# Altium PCB Rainette.PcbDoc (part 2 of 2)
Units mm, origin at the board's own origin, x right, y up, seen from the top; angles counter-clockwise.
Board outline 91.87 x 44.86 mm, 4 copper layers (Top Layer, Int1 (GND), Int2 (3V3), Bottom Layer), stack 1.57 mm thick; 96 components, 65 nets, 342 pads, 257 vias.
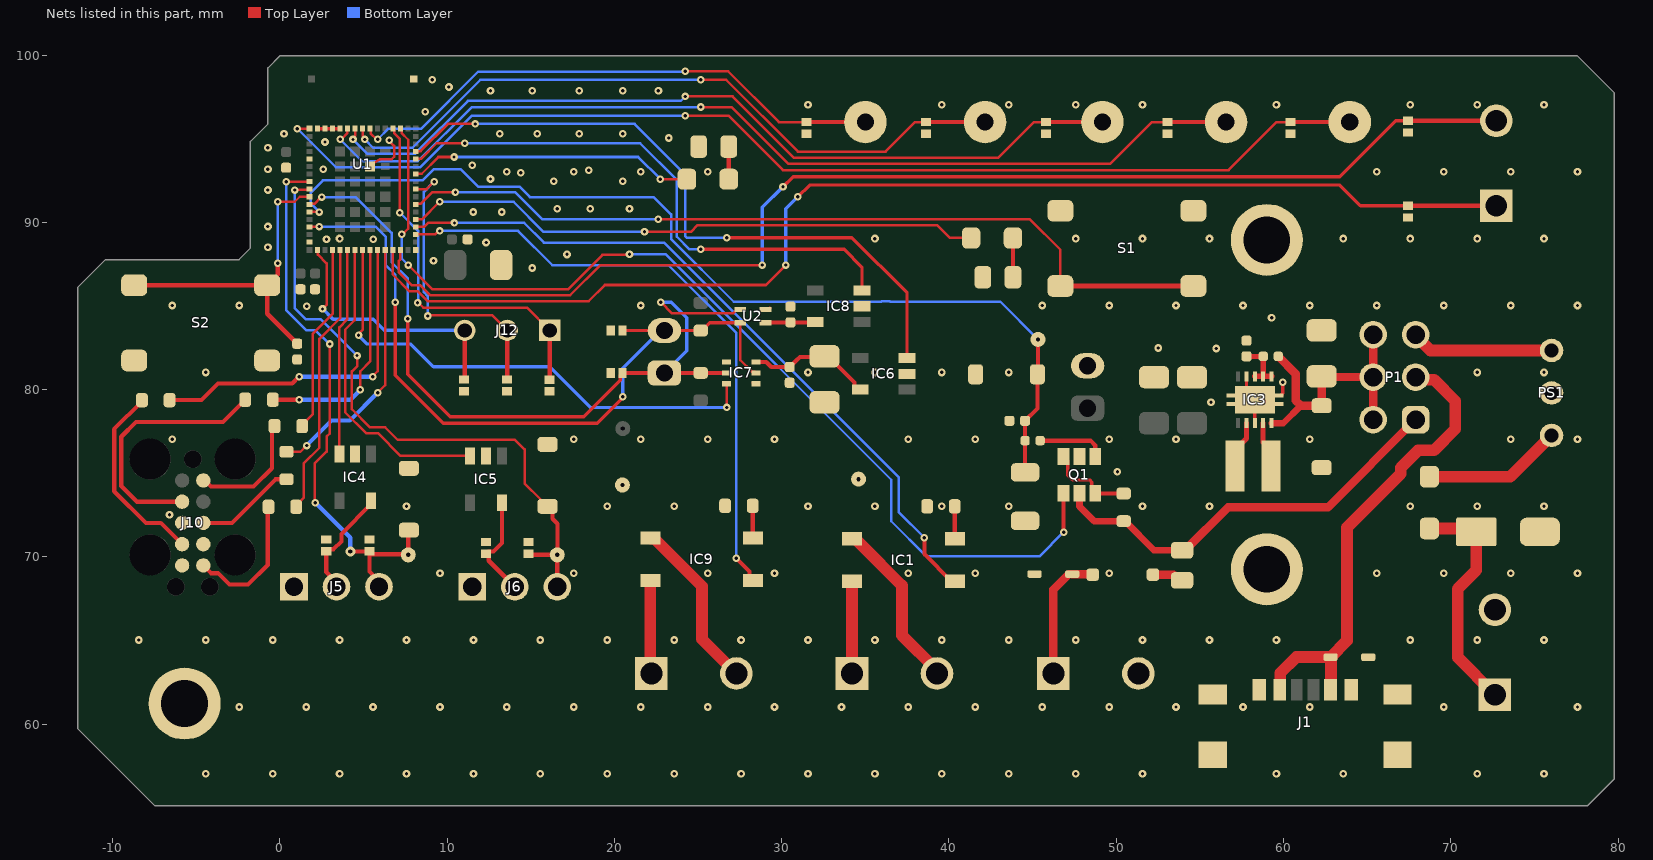
[diagram p4: the nets of this part, all layers, seen from the top]

## Via types
v1: diameter 0.46/0.46 (per signal layer), hole 0.2, Top Layer to Bottom Layer, tented both sides, 185 vias
v2: diameter 0.451/0.451 (per signal layer), hole 0.2, Top Layer to Bottom Layer, 71 vias
v3: diameter 0.6, hole 0.25, Top Layer to Bottom Layer, 1 vias

## Nets (pads, with @x,y where several pads share a name; then routed paths per layer and width w, separated by ;. In a path a pad name is that pad's centre, name@x,y a point inside that pad or via, vN(x,y) a via of type N, cw(c..) or ccw(c..) an arc to the next point about the centre after c; other vN are vias at no path point) (continued)
GND: C1.1 C2.1 C3.1 C4.1 C5.1 C6.2 C7.2 C8.2 C9.2 C10.1 C11.2 C12.1 C13.2 C14.2 D1.2 D2.2 D4.2 D6.2 D7.1 D8.1 D9.1 D10.1 D12.1 D14.1 D15.2 D16.2 D17.2 D18.2 D19.2 D20.1 D21.1 D26.1 D27.1 D28.1 D29.2 D30.2 D31.2 IC3.3 IC3.9 IC3.11 IC3.12 IC3.13 IC3.14 IC3.15 IC4.2 IC5.2 IC6.2 IC7.1 IC7.4 IC8.2 J1.1 J1.2 J1.3 J1.4 J1.A12 J1.B12 J3.2 J4.2 J5.1 J6.1 J10.3 J10.5 pad.6 pad.7 pad.8 PS1.2 Q1.5 R4.1 R5.2 R6.2 R7.1 R8.1 S1.3 S1.4 S2.3 S2.4 TP2.1 TP3.1 U1.5 U1.16 U1.31 U1.57 U1.58 U1.59 U1.60 U1.84 U1.86 U2.4 X2.2 | length 17.6
  Top Layer w0.15: U1.84@5.403,93.334 5.457,93.388 5.628,93.559 5.933,93.743 cw(c6.049,93.55) 6.049,93.775 6.678,93.775 6.828,93.925 6.828,94.576 6.532,94.871 v2(6.532,94.916)
  Top Layer w0.2: C7.2@2.108,86.001 C7.2@2.108,86.004 ; U1.60@2.253,95.609 U1.59@2.703,95.609 U1.58@3.153,95.609 U1.57@3.603,95.609 ; D7.1@2.726,71.042 D7.1@2.776,71.042 ; D8.1@5.355,71.042 D8.1@5.405,71.042 ; IC7.1@26.709,81.655 IC7.1@26.834,81.655 ; IC7.4@28.284,80.405 IC7.4@28.409,80.405 ; U2.4@29.224,84.857 U2.4@29.28,84.857 ; U2.4@29.228,84.804 U2.4@29.28,84.857 ; U2.4@29.28,84.86 U2.4@29.28,84.857 ; C13.2@30.424,84.857 C13.2@30.531,84.963 ; IC6.2@37.493,80.95 IC6.2@37.522,80.921 ; C5.1@43.575,78.179 C5.1@43.612,78.142 ; IC3.15@56.837,79.151 58.037,79.151 IC3.11@58.287,79.401 ; IC3.14@56.837,79.651 IC3.11@58.037,79.651 ; IC3.9@57.787,80.801 57.787,79.901 IC3.11@58.037,79.651 ; IC3.3@58.287,78.001 IC3.11@58.287,79.401 ; IC3.12@59.737,79.151 58.537,79.151 IC3.11@58.287,79.401 ; v1(59.962,80.441) 59.962,79.793 59.887,79.718 59.887,79.676 59.862,79.651 58.537,79.651 IC3.11@58.287,79.401 ; IC3.11@58.037,79.651 IC3.11@58.287,79.401
  Top Layer w0.25: D9.1@12.205,70.775 D9.1@12.33,70.9 ; C10.1@12.851,87.449 C10.1@12.853,87.451 ; C10.1@12.957,87.717 C10.1@13.226,87.449
  Top Layer w0.3: J10.3@-5.898,72.034 J10.3@-5.842,72.034 ; S2.4@-0.753,81.747 S2.4@-0.724,81.777 ; C14.2@1.012,81.777 C14.2@1.041,81.806 ; IC4.2@4.508,76.162 IC4.2@4.658,76.012 ; D31.2@16.002,76.73 D31.2@16.09,76.642 ; R5.2@25.036,94.534 R5.2@25.036,94.747 ; C12.1@32.182,78.864 C12.1@32.563,79.245 ; IC8.2@34.801,84.988 IC8.2@35.001,84.988 ; D4.2@44.919,68.98 D4.2@45.119,68.98 ; X2.2@48.318,81.465 X2.2@48.285,81.432 X2.2@48.852,81.432 ; D15.2@60.427,95.3 D15.2@60.439,95.287 ; D2.2@62.115,75.345 D2.2@62.281,75.345
  other v1: -4.426,57.033 -0.426,57.033 3.574,57.033 7.574,57.033 11.574,57.033 15.574,57.033 19.574,57.033 23.574,57.033 27.574,57.033 31.574,57.033 35.574,57.033 39.574,57.033 43.574,57.033 47.574,57.033 51.574,57.033 59.574,57.033 63.574,57.033 71.574,57.033 75.574,57.033 -2.426,61.033 1.574,61.033 5.574,61.033 9.574,61.033 13.574,61.033 17.574,61.033 21.574,61.033 25.574,61.033 29.574,61.033 33.574,61.033 37.574,61.033 41.574,61.033 45.574,61.033 49.574,61.033 53.574,61.033 57.574,61.033 61.574,61.033 69.574,61.033 77.574,61.033 -8.426,65.033 -4.426,65.033 -0.426,65.033 3.574,65.033 7.574,65.033 11.574,65.033 15.574,65.033 19.574,65.033 23.574,65.033 27.574,65.033 31.574,65.033 35.574,65.033 39.574,65.033 43.574,65.033 47.574,65.033 51.574,65.033 55.574,65.033 59.574,65.033 67.574,65.033 71.574,65.033 75.574,65.033 9.574,69.033 17.574,69.033 25.574,69.033 29.574,69.033 37.574,69.033 41.574,69.033 49.574,69.033 65.574,69.033 69.574,69.033 73.574,69.033 77.574,69.033 -6.592,72.533 7.574,73.033 19.574,73.033 23.574,73.033 31.574,73.033 35.574,73.033 39.574,73.033 43.574,73.033 51.574,73.033 55.574,73.033 67.574,73.033 71.574,73.033 75.574,73.033 -6.426,77.033 17.574,77.033 21.574,77.033 25.574,77.033 29.574,77.033 37.574,77.033 41.574,77.033 49.574,77.033 53.574,77.033 61.574,77.033 73.574,77.033 77.574,77.033 55.668,79.245 -4.426,81.033 31.574,81.033 35.574,81.033 39.574,81.033 43.574,81.033 71.574,81.033 75.574,81.033 55.982,82.465 52.512,82.495 59.287,84.303 -6.426,85.033 -2.426,85.033 21.574,85.033 45.574,85.033 49.574,85.033 53.574,85.033 57.574,85.033 61.574,85.033 65.574,85.033 69.574,85.033 73.574,85.033 77.574,85.033 15.088,87.274 9.184,87.707 17.169,88.087 -0.711,88.513 12.33,88.798 2.794,88.998 5.578,88.998 3.574,89.033 35.574,89.033 47.574,89.033 51.574,89.033 55.574,89.033 63.574,89.033 67.574,89.033 71.574,89.033 75.574,89.033 -0.711,89.753 11.562,90.619 13.261,90.619 16.585,90.817 18.566,90.817 20.904,90.817 -0.711,91.934 16.373,92.456 20.502,92.456 12.598,92.596 14.402,92.964 13.574,93.033 17.574,93.033 21.574,93.033 25.574,93.033 65.574,93.033 69.574,93.033 73.574,93.033 77.574,93.033 18.47,93.119 -0.711,93.184 2.603,93.184 11.505,93.422 -0.711,94.463 2.703,94.805 23.243,95.05 0.254,95.301 13.144,95.301 15.383,95.301 17.907,95.301 20.502,95.301 8.687,96.622 31.574,97.033 39.574,97.033 43.574,97.033 47.574,97.033 51.574,97.033 59.574,97.033 67.574,97.033 71.574,97.033 75.574,97.033 12.598,97.866 15.088,97.866 17.907,97.866 20.502,97.866 22.631,97.866 10.109,98.095 9.119,98.527
  other v2: 50.072,75.09 1.603,84.992
GPIO_0: D15.1 TP7.1 U1.1 | length 68.4
  Top Layer w0.15: v2(1.041,95.609) U1.1@1.778,95.609 ; v2(24.228,96.385) 26.823,96.385 30.08,93.128 56.718,93.128 59.59,96 D15.1@60.427,96
  Top Layer w0.25: D15.1@60.427,96 TP7.1@63.957,96
  Bottom Layer w0.15: v2(1.041,95.609) 3.346,93.304 8.404,93.304 11.485,96.385 v2(24.228,96.385)
GPIO_1: D16.1 TP8.1 U1.56 | length 58.2
  Top Layer w0.15: v2(3.603,94.971) 3.679,94.971 4.028,95.32 4.028,95.584 U1.56@4.053,95.609 ; v2(25.161,96.898) 26.995,96.898 30.396,93.497 49.632,93.497 52.134,96 D16.1@53.061,96
  Top Layer w0.25: D16.1@53.061,96 TP8.1@56.566,96
  Bottom Layer w0.15: v2(3.603,94.971) 4.92,93.654 8.234,93.654 11.478,96.898 v2(25.161,96.898)
GPIO_2: D17.1 TP9.1 U1.55 | length 49.7
  Top Layer w0.15: v2(4.374,94.959) 4.374,95.04 4.503,95.169 U1.55@4.503,95.609 ; v2(24.228,97.531) 27.069,97.531 30.74,93.859 42.942,93.859 45.083,96 D17.1@45.812,96
  Top Layer w0.25: D17.1@45.812,96 TP9.1@49.176,96
  Bottom Layer w0.15: v2(4.374,94.959) 5.22,94.113 8.083,94.113 11.24,97.27 23.967,97.27 v2(24.228,97.531)
GPIO_3: D18.1 TP10.1 U1.54 | length 42.2
  Top Layer w0.15: U1.54@4.953,95.609 4.953,95.169 5.082,95.04 v2(5.082,94.959) ; v2(25.161,98.527) 26.676,98.527 30.969,94.234 36.215,94.234 37.981,96 D18.1@38.633,96
  Top Layer w0.25: D18.1@38.633,96 TP10.1@42.164,96
  Bottom Layer w0.15: v2(5.082,94.959) 5.578,94.463 7.932,94.463 11.996,98.527 v2(25.161,98.527)
GPIO_4: D19.1 TP11.1 U1.53 | length 33
  Top Layer w0.15: U1.53@5.428,95.634 U1.53@5.403,95.609 5.428,95.584 5.428,95.32 5.777,94.971 v2(5.853,94.971) ; v2(24.228,99.027) 26.806,99.027 29.833,96 D19.1@31.493,96
  Top Layer w0.25: D19.1@31.493,96 TP11.1@35.001,96
  Bottom Layer w0.15: v2(5.853,94.971) 6.491,95.609 8.462,95.609 11.862,99.009 24.211,99.009 v2(24.228,99.027)
GPIO_FLOAT_IN: D14.2 J7.2 U1.29 | length 73.9
  Top Layer w0.15: U1.29@7.203,88.359 7.203,87.788 7.103,87.688 7.103,87.032 7.905,86.23 8.403,86.23 8.982,85.651 17.363,85.651 19.162,87.45 v2(28.843,87.45)
  Top Layer w0.2: v2(30.08,92.134) 30.68,92.734 63.356,92.734 66.694,96.072 D14.2@67.432,96.072
  Top Layer w0.25: D14.2@67.432,96.072 J7.2@72.722,96.072
  Bottom Layer w0.2: v2(28.843,87.45) 28.843,90.898 v2(30.08,92.134)
GPIO_FLOAT_OUT: D12.2 J7.1 U1.28 | length 73.5
  Top Layer w0.15: U1.28@6.753,88.359 6.753,87.833 6.753,86.887 7.76,85.88 8.258,85.88 8.837,85.301 18.47,85.301 19.427,86.258 29.06,86.258 v2(30.251,87.45)
  Top Layer w0.2: v2(30.969,91.534) 31.669,92.234 63.356,92.234 64.597,90.992 D12.2@67.432,90.992
  Top Layer w0.25: D12.2@67.432,90.992 J7.1@72.722,90.992
  Bottom Layer w0.2: v2(30.251,87.45) 30.251,90.817 v2(30.969,91.534)
GPIO_RELAY_0: IC1.1 U1.34 | length 43.2
  Top Layer w0.15: U1.34@8.128,89.734 8.629,89.734 8.862,89.967 v2(10.439,89.967) ; IC1.1@40.155,68.543 IC1.1@40.355,68.543 IC1.1@40.555,68.543
  Top Layer w0.25: v2(38.53,71.15) 38.53,70.168 IC1.1@40.155,68.543
  Bottom Layer w0.15: v2(10.439,89.967) 14.613,89.967 15.781,88.798 22.966,88.798 36.993,74.771 36.993,72.687 v2(38.53,71.15)
GPIO_RELAY_1: IC9.1 U1.33 | length 37
  Top Layer w0.15: U1.33@8.128,89.284 9.269,89.284 9.474,89.49 v2(9.556,89.49) ; IC9.1@28.079,68.813 IC9.1@28.297,68.594
  Top Layer w0.25: v2(27.293,69.917) 28.079,69.131 IC9.1@28.079,68.813
  Bottom Layer w0.15: v2(9.556,89.49) 14.248,89.49 16.288,87.45 23.221,87.45 27.293,83.379 v2(27.293,69.917)
I2C.SCL: D21.2 IC7.5 R10.1 U1.14 U2.2 X1.2 | length 44.7
  Top Layer w0.15: U1.14@1.778,89.734 1.787,89.743 2.353,89.743 v2(2.362,89.753) ; D21.2@20.487,83.551 D21.2@20.502,83.535 ; R10.1@25.161,83.535 R10.1@25.236,83.535 ; U2.2@27.526,84.004 27.526,81.774 28.22,81.08 28.384,81.08 IC7.5@28.459,81.005
  Top Layer w0.2: v2(6.903,85.231) 6.903,80.868 9.78,77.991 18.971,77.991 20.502,79.522 v2(20.502,79.582) ; D21.2@20.502,83.535 X1.2@22.993,83.535 R10.1@25.161,83.535 ; R10.1@25.236,83.535 25.704,84.004 U2.2@27.526,84.004
  Bottom Layer w0.15: v2(2.362,89.753) 5.729,89.753 6.328,89.154 6.328,87.449 6.903,86.874 v2(6.903,85.231) ; X1.2@22.743,83.535 X1.2@22.993,83.535
  Bottom Layer w0.2: v2(20.502,79.582) 20.502,81.294 X1.2@22.743,83.535
I2C.SDA: D20.2 IC7.2 R9.1 U1.11 U2.1 X1.1 | length 47.2
  Top Layer w0.15: U1.11@1.778,91.084 1.803,91.109 2.067,91.109 2.474,91.516 v2(2.515,91.516) ; D20.2@20.487,81.011 D20.2@20.502,80.995 ; v2(22.781,85.231) 23.451,84.56 27.079,84.56 27.323,84.804 U2.1@27.526,84.804 ; X1.1@22.993,80.995 X1.1@23.002,81.004
  Top Layer w0.2: v2(7.653,84.242) 7.653,80.916 10.178,78.391 18.167,78.391 20.349,80.574 20.349,80.874 D20.2@20.487,81.011
  Top Layer w0.25: D20.2@20.502,80.995 X1.1@22.993,80.995 ; X1.1@23.002,81.004 R9.1@25.161,81.004 ; R9.1@25.161,81.004 IC7.2@26.709,81.005
  Bottom Layer w0.15: v2(2.515,91.516) 4.536,91.516 6.678,89.374 6.678,87.619 7.653,86.644 v2(7.653,84.242) ; X1.1@22.993,80.995 23.081,80.995 23.733,81.648 23.733,81.735
  Bottom Layer w0.2: v2(22.781,85.231) 23.391,85.231 24.316,84.306 24.316,82.318 23.733,81.735
LED_RED_0: D11.2 U1.41 | length 17.2
  Top Layer w0.15: U1.41@8.128,92.884 8.153,92.909 8.483,92.909 9.484,93.91 v2(10.417,93.91) ; v2(22.747,92.584) D11.2@24.336,92.584
  Bottom Layer w0.15: v2(10.417,93.91) 21.421,93.91 v2(22.747,92.584)
LED_RED_1: D13.2 U1.35 | length 34.9
  Top Layer w0.15: U1.35@8.128,90.184 8.506,90.184 v2(9.556,91.234) ; v2(21.8,89.434) 24.569,89.434 24.969,89.834 39.293,89.834 40.057,89.07 D13.2@41.325,89.07
  Bottom Layer w0.15: v2(9.556,91.234) 13.973,91.234 15.773,89.434 v2(21.8,89.434)
LUM_INT: IC7.3 U1.24 | length 30.4
  Top Layer w0.15: v2(4.708,83.251) 4.708,83.332 4.953,83.577 U1.24@4.953,88.359 ; v2(26.709,78.939) IC7.3@26.709,80.355
  Bottom Layer w0.15: v2@4.708,83.238 v2(4.708,83.251)
  Bottom Layer w0.2: v2@4.708,83.238 5.216,82.731 7.823,82.731 9.184,81.37 16.135,81.37 18.566,78.939 v2(26.709,78.939)
NetC3_2: C3.2 D2.1 IC3.5 P1.2 P1.4 P1.6 R1.2 | length 16.9
  Top Layer w0.4: IC3.5@59.295,77.992 59.987,77.992 61.039,79.045
  Top Layer w0.5: R1.2@59.687,81.995 60.727,80.955 60.727,79.357 61.039,79.045 D2.1@62.281,79.045 C3.2@62.281,80.797 62.319,80.759 65.316,80.759 65.354,80.721 P1.2@65.354,78.181 ; P1.4@65.354,80.747 P1.6@65.354,83.287
NetC4_2: C4.2 IC3.6 IC3.7 IC3.8 R1.1 | length 3.2
  Top Layer w0.3: C4.2@57.787,81.995 R1.1@58.787,81.995
  Top Layer w0.35: IC3.8@58.287,80.801 IC3.7@58.787,80.801 ; R1.1@58.787,81.995 IC3.7@58.787,80.801 ; IC3.6@59.287,80.801 IC3.7@58.787,80.801
NetC5_2: C5.2 D29.1 R3.2 R4.2 TP4.1 U1.12 | length 59.3
  Top Layer w0.15: U1.12@1.778,90.634 1.786,90.626 2.36,90.626 v2(2.367,90.619) ; D29.1@45.29,80.921 D29.1@45.321,80.952
  Top Layer w0.25: R4.2@44.552,75.186 C5.2@44.552,78.142 45.29,78.881 D29.1@45.29,80.921 ; D29.1@45.321,80.952 TP4.1@45.321,83.005
  Bottom Layer w0.15: v2(2.367,90.619) 1.854,91.132 1.854,91.793 2.577,92.516 8.541,92.516 9.209,93.184 10.81,93.184 11.851,92.143 14.323,92.143 14.95,91.516 22.349,91.516 23.391,90.474 23.391,88.998 27.134,85.255 35.953,85.255 35.982,85.284 36.459,85.284 36.488,85.255 43.071,85.255 TP4.1@45.321,83.005
NetC11_1: C11.1 C12.2 IC6.5 IC7.6 | length 7.6
  Top Layer w0.15: 30.959,81.835 30.969,81.835 ; C12.2@32.531,81.963 C12.2@32.563,81.995 C12.2@32.788,81.995 ; IC6.5@34.345,80.225 34.57,80 IC6.5@34.693,80
  Top Layer w0.25: IC7.6@28.459,81.655 29.081,81.655 29.38,81.356 C11.1@30.48,81.356 30.959,81.835 ; 30.969,81.835 31.097,81.963 C12.2@32.531,81.963 ; C12.2@32.788,81.995 34.345,80.437 IC6.5@34.345,80.225
NetC13_1: C13.1 IC8.5 U2.3 | length 3
  Top Layer w0.15: U2.3@29.024,84.004 U2.3@29.034,84.014 ; C13.1@30.521,84.014 C13.1@30.531,84.023 ; IC8.5@31.986,84.023 IC8.5@32.001,84.038
  Top Layer w0.25: U2.3@29.034,84.014 C13.1@30.521,84.014 ; C13.1@30.531,84.023 IC8.5@31.986,84.023
NetD3_1: D3.1 F1.1 | length 1.9
  Top Layer w0.5: D3.1@52.192,68.943 53.421,68.943 53.761,68.603 F1.1@53.936,68.603
NetD3_2: D3.2 D4.1 J3.1 | length 7.8
  Top Layer w0.5: J3.1@46.244,63.036 46.244,68.055 47.169,68.98 D4.1@47.369,68.98 47.388,68.962 48.574,68.962 D3.2@48.592,68.943
NetD5_1: D5.1 PS1.1 | length 8.3
  Top Layer w0.7: D5.1@68.719,74.804 73.559,74.804 PS1.1@76.022,77.267
NetD5_2: D5.2 D6.1 J4.1 | length 14
  Top Layer w0.7: D5.2@68.719,71.704 71.32,71.704 D6.1@71.522,71.501 71.522,69.205 70.407,68.09 70.407,63.996 J4.1@72.637,61.766
NetD7_2: D7.2 IC4.5 J5.2 | length 6.7
  Top Layer w0.25: J5.2@3.39,68.224 3.39,68.496 2.776,69.109 D7.2@2.776,70.342 2.901,70.467 3.21,70.467 3.679,70.935 3.679,71.382 5.458,73.162 IC4.5@5.458,73.362
NetD8_2: D8.2 D30.1 J5.3 TP5.1 U1.8 | length 33.5
  Top Layer w0.15: v2(0.381,92.434) U1.8@1.778,92.434 ; v2(2.118,73.249) 2.103,73.264 2.103,75.608 2.794,76.299 2.794,77.192 2.983,77.381 v2(2.983,82.731) ; D8.2@5.346,70.333 D8.2@5.355,70.342 D8.2@5.53,70.167 ; J5.3@5.93,68.224 J5.3@5.93,68.56 ; TP5.1@7.641,70.167 TP5.1@7.678,70.129 ; D30.1@7.678,71.565 D30.1@7.715,71.603
  Top Layer w0.25: v3(4.215,70.333) D8.2@5.346,70.333 ; D8.2@5.355,70.342 5.355,69.135 J5.3@5.93,68.56 ; D8.2@5.53,70.167 TP5.1@7.641,70.167 ; TP5.1@7.678,70.129 D30.1@7.678,71.565
  Bottom Layer w0.15: v2(0.381,92.434) 0.381,84.773 1.608,83.546 2.143,83.546 2.958,82.731 v2(2.983,82.731)
  Bottom Layer w0.25: v2(2.118,73.249) 4.215,71.153 v3(4.215,70.333)
NetD9_2: D9.2 IC5.5 J6.2 | length 6.3
  Top Layer w0.25: IC5.5@13.28,73.242 13.28,70.84 12.765,70.325 12.455,70.325 D9.2@12.33,70.2 12.363,70.2 12.488,70.075 12.488,69.777 J6.2@14.045,68.219
NetD10_2: D10.2 D31.1 J6.3 TP6.1 U1.9 | length 38.4
  Top Layer w0.15: v2(0.886,91.934) 0.911,91.959 1.753,91.959 U1.9@1.778,91.984 ; v2(4.616,82.042) 4.616,81.398 4.308,81.091 4.308,78.833 5.391,77.751 6.303,77.751 7.049,77.004 14.058,77.004 14.629,76.434 14.629,74.403 15.57,73.462 15.57,73.393 15.933,73.03 D31.1@16.002,73.03 D31.1@16.302,72.73 ; D10.2@14.87,70.2 D10.2@14.941,70.129 ; TP6.1@16.585,70.129 TP6.1@16.602,70.146
  Top Layer w0.25: D10.2@14.941,70.129 TP6.1@16.585,70.129 J6.3@16.585,68.219 ; D31.1@16.302,72.73 16.302,72.287 16.602,71.987 TP6.1@16.602,70.146
  Bottom Layer w0.15: v2(0.886,91.934) 0.886,84.873 1.558,84.201 2.457,84.201 v2(4.616,82.042)
NetD11_1: D11.1 R5.1 | length 2
  Top Layer w0.25: D11.1@26.836,92.584 R5.1@26.836,94.534
NetD13_1: D13.1 R6.1 | length 2.3
  Top Layer w0.25: R6.1@43.825,86.722 D13.1@43.825,89.07
NetIC1_2: IC1.2 R7.2 | length 1.9
  Top Layer w0.15: IC1.2@40.347,71.091 IC1.2@40.355,71.083
  Top Layer w0.25: IC1.2@40.347,71.091 R7.2@40.347,73.03
NetIC1_3: IC1.3 J8.2 | length 10.3
  Top Layer w0.7: IC1.3@34.205,71.083 34.405,71.083 34.752,70.736 34.752,70.733 37.19,68.295 37.19,65.328 39.285,63.234 J8.2@39.285,63.036
NetIC1_4: IC1.4 J8.1 | length 5.5
  Top Layer w0.7: J8.1@34.205,63.036 IC1.4@34.205,68.543
NetIC3_2: IC3.2 L1.2 | length 2.9
  Top Layer w0.3: L1.2@57.093,75.429 57.093,76.384 57.787,77.077 IC3.2@57.787,78.001
NetIC3_4: IC3.4 L1.1 | length 2.8
  Top Layer w0.3: IC3.4@58.787,78.001 58.787,76.85 59.253,76.384 L1.1@59.253,75.429
NetIC4_3: IC4.3 U1.22 | length 12.4
  Top Layer w0.15: IC4.3@3.558,76.162 3.558,83.73 4.028,84.199 4.028,88.334 U1.22@4.053,88.359
NetIC5_3: IC5.3 U1.23 | length 18.5
  Top Layer w0.15: U1.23@4.503,88.359 4.478,88.334 4.478,84.154 3.908,83.585 3.908,78.651 5.158,77.401 5.866,77.401 7.224,76.042 IC5.3@11.38,76.042
NetIC6_3: IC6.3 U1.44 | length 40.3
  Top Layer w0.15: U1.44@8.128,94.234 8.153,94.259 8.417,94.259 10.043,95.885 v2(11.692,95.885)
  Top Layer w0.2: v2(26.709,89.092) 34.199,89.092 37.493,85.797 IC6.3@37.493,81.9
  Bottom Layer w0.15: v2(11.692,95.885) 21.209,95.885 24.228,92.866 24.228,89.18 24.316,89.092 v2(26.709,89.092)
NetIC8_3: IC8.3 U1.43 | length 33.5
  Top Layer w0.15: U1.43@8.128,93.784 8.153,93.809 8.462,93.809 9.383,94.73 v2(11.055,94.73)
  Top Layer w0.2: v2(25.161,88.39) 33.731,88.39 34.801,87.32 IC8.3@34.801,85.938
  Bottom Layer w0.15: v2(11.055,94.73) 21.54,94.73 23.741,92.529 23.741,89.143 24.493,88.39 v2(25.161,88.39)
NetIC9_2: IC9.2 R8.2 | length 1.9
  Top Layer w0.15: IC9.2@28.268,71.164 IC9.2@28.297,71.134
  Top Layer w0.25: IC9.2@28.268,71.164 R8.2@28.268,73.061
NetIC9_3: IC9.3 J9.2 | length 10.3
  Top Layer w0.7: IC9.3@22.147,71.134 22.197,71.084 22.397,71.084 25.236,68.246 25.236,65.094 J9.2@27.293,63.036
NetIC9_4: IC9.4 J9.1 | length 5.6
  Top Layer w0.5: J9.1@22.147,63.102 J9.1@22.213,63.036
  Top Layer w0.7: J9.1@22.147,63.102 IC9.4@22.147,68.594
NetQ1_1: Q1.1 U1.49 | length 61.2
  Top Layer w0.15: U1.49@7.203,95.609 7.278,95.534 7.278,95.421 7.278,95.341 7.678,94.941 7.678,90.898 7.678,89.634 7.328,89.284 v2(7.291,89.284) ; v2(7.678,87.45) 9.127,86.001 17.218,86.001 19.279,88.062 20.879,88.062 v2(20.904,88.087) ; Q1.1@46.848,73.804 Q1.1@46.856,73.795
  Top Layer w0.25: v2(46.856,71.483) Q1.1@46.856,73.795
  Bottom Layer w0.15: v2(7.291,89.284) 7.291,87.837 v2(7.678,87.45) ; v2(20.904,88.087) 23.079,88.087 36.551,74.616 36.551,72.136 38.654,70.033 45.406,70.033 v2(46.856,71.483)
NetQ1_3: Q1.3 Q1.6 R2.1 | length 5.3
  Top Layer w0.2: Q1.6@46.848,76.004 47.098,75.754 47.098,74.89 47.384,74.604 48.412,74.604 48.543,74.473 48.543,74.009 Q1.3@48.748,73.804
  Top Layer w0.25: Q1.3@48.748,73.804 48.756,73.795 R2.1@50.446,73.795
NetQ1_4: Q1.4 R3.1 | length 4.1
  Top Layer w0.25: R3.1@45.452,76.954 48.455,76.954 48.748,76.66 Q1.4@48.748,76.004
NRST: C14.1 S2.1 S2.2 U1.10 | length 19.5
  Top Layer w0.15: S2.2@-0.753,86.247 S2.2@-0.753,86.257 ; v2(-0.121,91.234) 0.893,91.234 1.193,91.534 U1.10@1.778,91.534
  Top Layer w0.25: S2.1@-8.703,86.247 S2.2@-0.753,86.247 -0.753,84.541 C14.1@1.041,82.746 ; S2.2@-0.753,86.257 -0.119,86.892 v1(-0.119,87.554)
  Bottom Layer w0.15: v1@-0.121,87.556 v2(-0.121,91.234)
T_JCLK/T_SWCLK: R12.1 U1.26 | length 20.4
  Top Layer w0.15: v2(5.553,80.778) 5.553,80.814 5.853,81.114 U1.26@5.853,88.359
  Top Layer w0.25: R12.1@-6.592,79.375 -4.681,79.375 -3.692,80.364 0.744,80.364 v2(1.158,80.778)
  Bottom Layer w0.25: v2(1.158,80.778) v2(5.553,80.778)
T_JCLK/T_SWCLK_CONN: J10.4 R12.2 | length 11.5
  Top Layer w0.15: R12.2@-8.242,79.3 R12.2@-8.242,79.375
  Top Layer w0.25: R12.2@-8.242,79.3 -9.901,77.641 -9.901,73.928 -8.008,72.034 -7.112,72.034 J10.4@-5.842,70.764
T_JRCLK/NC: J10.7
T_JTDI/NC: R14.1 U1.27 | length 15.6
  Top Layer w0.15: R14.1@0.4,76.292 1.233,76.292 v2(1.603,76.662) ; v2(5.853,79.825) 6.303,80.275 U1.27@6.303,88.359
  Bottom Layer w0.25: v2(1.603,76.662) 3.099,78.158 4.185,78.158 v2(5.853,79.825)
T_JTDI/NC_CONN: J10.8 R14.2 | length 6.1
  Top Layer w0.25: J10.8@-4.572,72.034 -2.859,72.034 -0.251,74.642 R14.2@0.4,74.642
T_JTDO/T_SWO: R13.1 U1.21 | length 16.4
  Top Layer w0.15: R13.1@0.975,72.999 0.975,73.074 1.444,73.544 1.444,75.608 2.367,76.532 2.367,83.034 3.603,84.269 U1.21@3.603,88.359
T_JTDO/T_SWO_CONN: J10.6 R13.2 | length 8.3
  Top Layer w0.15: J10.6@-4.572,69.494 J10.6@-4.566,69.494 ; R13.2@-0.718,72.956 R13.2@-0.675,72.999
  Top Layer w0.25: J10.6@-4.566,69.494 -4.105,69.033 -3.692,69.033 -3.009,68.349 -1.895,68.349 -0.718,69.525 R13.2@-0.718,72.956
T_JTMS/T_SWDIO: R11.1 U1.25 | length 14.1
  Top Layer w0.15: v2(4.808,79.988) 4.808,81.096 5.403,81.691 U1.25@5.403,88.359
  Top Layer w0.25: R11.1@-0.42,79.4 v2(1.158,79.4)
  Bottom Layer w0.25: v2(1.158,79.4) 4.22,79.4 v2(4.808,79.988)
T_JTMS/T_SWDIO_CONN: J10.2 R11.2 | length 15.3
  Top Layer w0.15: R11.2@-2.358,79.112 -2.337,79.112 -2.07,79.38 R11.2@-2.07,79.4
  Top Layer w0.25: J10.2@-5.842,73.304 -8.535,73.304 -9.478,74.248 -9.478,77.189 -8.592,78.076 -3.394,78.076 R11.2@-2.358,79.112
T_NRST: R15.1 U1.20 | length 11.3
  Top Layer w0.15: R15.1@1.333,77.826 1.333,77.901 1.958,78.526 1.958,83.331 3.153,84.526 U1.20@3.153,88.359
T_NRST_CONN: J10.10 R15.2 | length 7.3
  Top Layer w0.25: J10.10@-4.572,74.574 -4.486,74.574 -4.119,74.207 -1.567,74.207 -0.47,75.303 -0.47,77.672 R15.2@-0.317,77.826
USART_CK: D26.2 J12.1 U1.50 | length 22.6
  Top Layer w0.15: U1.50@6.753,95.609 6.828,95.534 6.828,95.421 6.828,95.341 7.178,94.991 v2(7.178,90.576) ; v2(8.232,85.199) 8.28,85.199 8.574,84.904 14.777,84.904 J12.1@16.135,83.546
  Top Layer w0.25: D26.2@16.135,80.603 J12.1@16.135,83.546
  Bottom Layer w0.15: v2(7.178,90.576) 8.264,89.49 8.264,85.231 v2(8.232,85.199)
USART_RX: D28.2 J12.3 U1.18 | length 15.8
  Top Layer w0.15: U1.18@2.253,88.359 2.278,88.334 2.278,88.07 2.794,87.554 2.794,85.068 v2(2.553,84.827) ; D28.2@11.021,80.614 D28.2@11.055,80.647
  Top Layer w0.25: D28.2@11.055,80.647 J12.3@11.055,83.546
  Bottom Layer w0.2: v2(2.553,84.827) 3.179,84.201 5.578,84.201 6.233,83.546 J12.3@11.055,83.546
USART_TX: D27.2 J12.2 U1.39 | length 17.8
  Top Layer w0.15: U1.39@8.128,91.984 8.779,91.984 v2(9.229,92.434) ; v2(8.839,84.404) 8.894,84.459 12.682,84.459 J12.2@13.595,83.546
  Top Layer w0.25: D27.2@13.595,80.614 J12.2@13.595,83.546
  Bottom Layer w0.15: v2(8.839,84.404) 8.839,85.605 8.614,85.83 8.614,91.819 v2(9.229,92.434)
USR_BTN: S1.1 S1.2 U1.37 | length 50.4
  Top Layer w0.15: U1.37@8.128,91.084 8.153,91.109 8.417,91.109 9.101,91.793 v2(10.5,91.793) ; v2(22.631,90.184) 44.84,90.184 46.66,88.364 S1.2@46.66,86.195
  Top Layer w0.3: S1.2@46.66,86.195 S1.1@54.61,86.195
  Bottom Layer w0.15: v2(10.5,91.793) 14.088,91.793 15.697,90.184 v2(22.631,90.184)
VBAT: F1.2 P1.1 Q1.2 R2.2 | length 25.2
  Top Layer w0.3: R2.2@50.446,72.145 R2.2@50.521,72.145 ; F1.2@53.936,70.403 F1.2@54.111,70.403
  Top Layer w0.4: Q1.2@47.798,73.804 47.798,73.024 48.677,72.145 R2.2@50.446,72.145 ; R2.2@50.521,72.145 52.262,70.403 F1.2@53.936,70.403
  Top Layer w0.5: F1.2@54.111,70.403 56.678,72.97 62.658,72.97 P1.1@67.894,78.207
VHIGH: P1.5 PS1.3 | length 8.5
  Top Layer w0.7: P1.5@67.894,83.287 67.894,83.232 68.779,82.347 PS1.3@76.022,82.347
VUSB: D1.1 J1.A9 J1.B9 P1.3 | length 28.1
  Top Layer w0.7: J1.B9@59.773,62.061 59.803,62.091 59.803,63.066 60.753,64.016 D1.1@62.738,64.016 ; J1.A9@62.813,62.061 62.843,62.091 D1.1@62.843,63.886 ; D1.1@62.813,64.011 63.788,64.986 63.788,71.759 67,74.971 67,75.341 68.043,76.384 69,76.384 70.269,77.653 70.269,79.326 68.997,80.598 68.017,80.598 P1.3@67.894,80.721
pads on no net: IC4.4 IC5.4 IC6.4 IC8.4 J1.A5 J1.B5 J10.9 J10.11 J10.12 J10.13 J10.14 J10.15 J10.16 J10.17 U1.2 U1.3 U1.7 U1.13 U1.19 U1.30 U1.36 U1.38 U1.40 U1.42 U1.45 U1.46 U1.47 U1.48 U1.51 U1.52 U1.61 U1.62 U1.63 U1.64 U1.65 U1.66 U1.67 U1.68 U1.69 U1.70 U1.71 U1.72 U1.73 U1.74 U1.75 U1.76 U1.77 U1.78 U1.79 U1.80 U1.81 U1.82 U1.83 U1.85

## Polygon pours and split planes (outlines as drawn)
GND on Top Layer "GND_L01_P002" (solid, pour order 2): 26.618,99.466 26.618,94.958 17.704,88.184 -1.528,87.388 -10.211,87.274 -11.557,85.854 -11.557,59.969 -7.201,55.613 -7.163,55.651 77.978,55.651 79.273,56.947 79.248,56.972 79.248,97.536 77.318,99.466
GND on Top Layer "GND_L01_P000" (solid, pour order 0): -0.19,95.632 -1.245,94.578 -1.245,88.306 -2.322,87.229 0.381,87.347 0.381,84.004 2.067,84.004 2.253,84.19 2.253,85.199 2.529,85.199 2.565,85.234 2.565,87.449 7.679,87.449 8.898,86.23 17.203,86.23 19.279,88.306 20.165,88.306 26.836,94.976 26.836,99.466 7.76,99.466 7.76,96.25 -0.19,96.25
GND on Int1 (GND) (split plane): 79.271,97.528 79.271,56.955 77.944,55.628 -7.256,55.628 -11.58,59.952 -11.58,85.895 -10.203,87.272 -2.438,87.272 -2.339,87.282 -2.243,87.311 -2.155,87.358 -2.077,87.421 -1.392,88.107 -1.328,88.185 -1.281,88.273 -1.252,88.369 -1.242,88.468 -1.242,94.632 -0.35,95.524 -0.287,95.601 -0.24,95.69 -0.211,95.785 -0.201,95.885 -0.201,99.026 0.237,99.464 77.335,99.464
3V3 on Int2 (3V3) (split plane): 79.271,97.528 79.271,56.955 77.944,55.628 -7.256,55.628 -11.58,59.952 -11.58,85.895 -10.203,87.272 -2.438,87.272 -2.339,87.282 -2.243,87.311 -2.155,87.358 -2.077,87.421 -1.392,88.107 -1.328,88.185 -1.281,88.273 -1.252,88.369 -1.242,88.468 -1.242,94.632 -0.35,95.524 -0.287,95.601 -0.24,95.69 -0.211,95.785 -0.201,95.885 -0.201,99.026 0.237,99.464 77.335,99.464

## Silkscreen, mask and mechanical layers (free items; w line width, h text height)
Top Overlay:
  drawing of 1989 lines, arcs and shapes, not listed
  text "Float" at 78.435,91.491 h1 r90
  text "HIGH" at 62.887,87.631 h0.75
  text "USB" at 63.548,86.408 h0.75
  text "Reset" at -10.874,85.627 h0.75 r270
  text "BAT" at 63.774,85.233 h0.75
  text "BAT MEAS" at 39.197,83.746 h0.75
  text "3V3" at 21.438,76.692 h0.75
  text "GND" at 35.38,75.29 h0.75
  text "GND" at 21.638,74.329 h0.75
  text "-" at 78.901,66.125 h2 r90
  text "USB" at 57.421,64.49 h1
  text "+" at 77.226,60.712 h2
  text "+" at 45.523,56.769 h2
  text "-" at 50.648,56.735 h2
  text "+" at 3.03,56.323 h1
  text "+" at 13.716,56.323 h1
  text "-" at 0.504,56.295 h1
  text "-" at 11.151,56.295 h1
  text "Actuator 1" at 20.142,56.261 h1
  text "Actuator 2" at 32.071,56.261 h1
  text "High DC" at 70.028,56.264 h1
  text "A0" at 5.062,56.236 h1
  text "A1" at 16.014,56.236 h1
  text "Bat" at 47.828,56.007 h1
Bottom Overlay:
  text "Rainette" at 54.362,87.319 h2.5
  text "v1.0.0" at 54.462,83.605 h1.5
  text "High DC : 7-36V" at 47.8,58.533 h1
  text "GPIO & Float : max 3V3" at 26.8,58.2 h1
  text "INFOS :" at 60.746,57.254 h1.5
  text "A0 & A1 : max 3V3" at 26.8,56.6 h1
  text "BAT : 4.5V (3xAAA)" at 47.8,56.6 h1
Board Shape:
  lines w1: -12.09,59.741 -12.09,86.106 -10.414,87.782 -2.438,87.782 -1.753,88.468 -1.753,94.844 -0.711,95.885 -0.711,99.238 -0.711,99.263 0.026,100 77.521,100 79.781,97.739 79.781,56.744 78.156,55.118 -7.468,55.118 -9.929,57.58 -12.09,59.741
Fab Notes:
  drawing of 264 lines, arcs and shapes, not listed
  text "Layer" at -32.424,152.338 h1.52
  text "Name" at -26.046,152.338 h1.52
  text "Material" at -9.775,152.338 h1.52
  text "Thickness" at 6.441,152.338 h1.52
  text "Constant" at 15.545,152.338 h1.52
  text "Board Layer Stack" at 23.971,152.338 h1.52
  text "Top Overlay" at -26.046,149.29 h1.52
  text "Top Solder" at -26.046,146.242 h1.52
  text "SM-001" at -9.775,146.242 h1.52
  text "0,025mm" at 6.441,146.242 h1.52
  text "4" at 15.545,146.242 h1.52
  text "Top Surface Finish" at -26.046,143.194 h1.52
  text "Nickel, Gold" at -9.775,143.194 h1.52
  text "0,004mm" at 6.441,143.194 h1.52
  text "1" at -32.424,140.146 h1.52
  text "Top Layer" at -26.046,140.146 h1.52
  text "CF-004" at -9.775,140.146 h1.52
  text "0,035mm" at 6.441,140.146 h1.52
  text "Dielectric 1" at -26.046,137.098 h1.52
  text "PP-EC-NP155F" at -9.775,137.098 h1.52
  text "0,180mm" at 6.441,137.098 h1.52
  text "4.31" at 15.545,137.098 h1.52
  text "Dielectric 2" at -26.046,134.05 h1.52
  text "PP-EC-NP155F" at -9.775,134.05 h1.52
  text "0,180mm" at 6.441,134.05 h1.52
  text "4.31" at 15.545,134.05 h1.52
  text "2" at -32.425,131.002 h1.52
  text "Int1 (GND)" at -26.046,131.002 h1.52
  text "CF-004" at -9.775,131.002 h1.52
  text "0,035mm" at 6.441,131.002 h1.52
  text "Dielectric 3" at -26.046,127.954 h1.52
  text "Core-EC-NP155F-001" at -9.775,127.954 h1.52
  text "0,710mm" at 6.441,127.954 h1.52
  text "4.53" at 15.545,127.954 h1.52
  text "3" at -32.424,124.906 h1.52
  text "Int2 (3V3)" at -26.046,124.906 h1.52
  text "CF-004" at -9.775,124.906 h1.52
  text "0,035mm" at 6.441,124.906 h1.52
  text "Dielectric 4" at -26.046,121.858 h1.52
  text "PP-EC-NP155F" at -9.775,121.858 h1.52
  text "0,180mm" at 6.441,121.858 h1.52
  text "4.31" at 15.545,121.858 h1.52
  text "Dielectric 5" at -26.046,118.81 h1.52
  text "PP-EC-NP155F" at -9.775,118.81 h1.52
  text "0,180mm" at 6.441,118.81 h1.52
  text "4.31" at 15.545,118.81 h1.52
  text "4" at -32.424,115.762 h1.52
  text "Bottom Layer" at -26.046,115.762 h1.52
  text "CF-004" at -9.775,115.762 h1.52
  text "0,035mm" at 6.441,115.762 h1.52
  text "Bottom Surface Finish" at -26.046,112.714 h1.52
  text "Nickel, Gold" at -9.775,112.714 h1.52
  text "0,004mm" at 6.441,112.714 h1.52
  text "Bottom Solder" at -26.046,109.666 h1.52
  text "SM-001" at -9.775,109.666 h1.52
  text "0,025mm" at 6.441,109.666 h1.52
  text "4" at 15.545,109.666 h1.52
  text "Bottom Overlay" at -26.046,106.618 h1.52
  text "Total board thickness:" at -32.424,103.57 h1.52
  text "1,629mm" at 6.441,103.57 h1.52
Drill Drawing:
  circle w0.254: c40.67,147.298 r0.552
  circle w0.254: c40.67,144.815 r0.331
  circle w0.254: c40.67,144.815 r0.552
  lines w0.2: 39.1,133.584 141.319,133.584 ; 39.1,158.419 141.319,158.419 ; 45.48,131.1 45.48,160.903 ; 51.327,131.1 51.327,160.903 ; 62.893,131.1 62.893,160.903 ; 67.84,131.1 67.84,160.903 ; 75.041,131.1 75.041,160.903 ; 88.697,131.1 88.697,160.903 ; 94.598,131.1 94.598,160.903 ; 102.306,131.1 102.306,160.903 ; 109.08,131.1 109.08,160.903 ; 116.822,131.1 116.822,160.903 ; 128.86,131.1 128.86,160.903 ; 39.1,131.1 141.319,131.1 141.319,160.903 39.1,160.903 39.1,131.1
  lines w0.254: 40.118,134.605 40.394,134.605 40.394,134.329 40.945,134.329 40.945,134.605 41.221,134.605 41.221,135.157 40.945,135.157 40.945,135.432 40.394,135.432 40.394,135.157 40.118,135.157 40.118,134.605 ; 40.118,137.088 40.394,137.088 40.67,136.812 40.945,137.088 41.221,137.088 40.945,137.364 41.221,137.64 40.945,137.64 40.67,137.916 40.394,137.64 40.118,137.64 40.394,137.364 40.118,137.088 ; 40.118,140.4 41.221,140.4 40.67,139.296 40.118,140.4 ; 40.118,142.883 41.221,142.883 40.67,141.779 40.118,142.883 ; 40.118,149.23 40.118,149.506 40.394,149.782 40.118,150.058 40.118,150.334 40.394,150.334 40.67,150.058 40.945,150.334 41.221,150.334 41.221,150.058 40.945,149.782 41.221,149.506 41.221,149.23 40.945,149.23 40.67,149.506 40.394,149.23 40.118,149.23 ; 40.118,151.714 41.221,151.714 41.221,152.818 40.118,152.818 40.118,151.714 ; 40.118,154.197 40.67,154.473 41.221,154.197 40.945,154.749 41.221,155.301 40.67,155.025 40.118,155.301 40.394,154.749 40.118,154.197 ; 40.118,156.957 40.394,156.957 40.67,156.681 40.945,156.957 41.221,156.957 40.945,157.233 41.221,157.509 40.945,157.509 40.67,157.785 40.394,157.509 40.118,157.509 40.394,157.233 40.118,156.957 ; 40.338,140.179 41.001,140.179 40.67,139.517 40.338,140.179 ; 40.338,157.067 40.504,157.067 40.67,156.902 40.835,157.067 41.001,157.067 40.835,157.233 41.001,157.398 40.835,157.398 40.67,157.564 40.504,157.398 40.338,157.398 40.504,157.233 40.338,157.067
  text "Symbol" at 40.59,159.164 h1.44
  text "Count" at 46.225,159.164 h1.44
  text "Hole Size" at 52.072,159.164 h1.44
  text "Plated" at 63.638,159.164 h1.44
  text "Hole Type" at 68.585,159.164 h1.44
  text "Drill Layer Pair" at 75.786,159.164 h1.44
  text "Via/Pad" at 89.442,159.164 h1.44
  text "Pad Shape" at 95.343,159.164 h1.44
  text "Template" at 103.051,159.164 h1.44
  text "Description" at 109.825,159.164 h1.44
  text "Hole Tolerance (+)" at 117.567,159.164 h1.44
  text "Hole Tolerance (-)" at 129.605,159.164 h1.44
  text "3" at 46.225,156.681 h1.2
  text "0,830mm (32,68mil)" at 52.072,156.681 h1.2
  text "PTH" at 63.638,156.681 h1.2
  text "Round" at 68.585,156.681 h1.2
  text "Top Layer - Bottom Layer" at 75.786,156.681 h1.2
  text "Pad" at 89.442,156.681 h1.2
  text "Rounded" at 95.343,156.681 h1.2
  text "c140h83" at 103.051,156.681 h1.2
  text "3" at 46.225,154.197 h1.2
  text "0,850mm (33,47mil)" at 52.072,154.197 h1.2
  text "PTH" at 63.638,154.197 h1.2
  text "Round" at 68.585,154.197 h1.2
  text "Top Layer - Bottom Layer" at 75.786,154.197 h1.2
  text "Pad" at 89.442,154.197 h1.2
  text "(Mixed)" at 95.343,154.197 h1.2
  text "(Mixed)" at 103.051,154.197 h1.2
  text "3" at 46.225,151.714 h1.2
  text "1,067mm (42,00mil)" at 52.072,151.714 h1.2
  text "NPTH" at 63.638,151.714 h1.2
  text "Round" at 68.585,151.714 h1.2
  text "Top Layer - Bottom Layer" at 75.786,151.714 h1.2
  text "Pad" at 89.442,151.714 h1.2
  text "Rounded" at 95.343,151.714 h1.2
  text "c107hn107" at 103.051,151.714 h1.2
  text "3" at 46.225,149.23 h1.2
  text "2,800mm (110,24mil)" at 52.072,149.23 h1.2
  text "PTH" at 63.638,149.23 h1.2
  text "Round" at 68.585,149.23 h1.2
  text "Top Layer - Bottom Layer" at 75.786,149.23 h1.2
  text "Pad" at 89.442,149.23 h1.2
  text "Rounded" at 95.343,149.23 h1.2
  text "c430h280" at 103.051,149.23 h1.2
  text "M2.5 Pad" at 109.825,149.23 h1.2
  text "4" at 46.225,146.747 h1.2
  text "2,451mm (96,50mil)" at 52.072,146.747 h1.2
  text "NPTH" at 63.638,146.747 h1.2
  text "Round" at 68.585,146.747 h1.2
  text "Top Layer - Bottom Layer" at 75.786,146.747 h1.2
  text "Pad" at 89.442,146.747 h1.2
  text "Rounded" at 95.343,146.747 h1.2
  text "c245hn245" at 103.051,146.747 h1.2
  text "7" at 46.225,144.263 h1.2
  text "0,250mm (9,84mil)" at 52.072,144.263 h1.2
  text "PTH" at 63.638,144.263 h1.2
  text "Round" at 68.585,144.263 h1.2
  text "Top Layer - Bottom Layer" at 75.786,144.263 h1.2
  text "(Mixed)" at 89.442,144.263 h1.2
  text "Rounded" at 95.343,144.263 h1.2
  text "(Mixed)" at 103.051,144.263 h1.2
  text "9" at 46.225,141.779 h1.2
  text "1,020mm (40,16mil)" at 52.072,141.779 h1.2
  text "PTH" at 63.638,141.779 h1.2
  text "Round" at 68.585,141.779 h1.2
  text "Top Layer - Bottom Layer" at 75.786,141.779 h1.2
  text "Pad" at 89.442,141.779 h1.2
  text "(Mixed)" at 95.343,141.779 h1.2
  text "(Mixed)" at 103.051,141.779 h1.2
  text "10" at 46.225,139.296 h1.2
  text "1,300mm (51,18mil)" at 52.072,139.296 h1.2
  text "PTH" at 63.638,139.296 h1.2
  text "Round" at 68.585,139.296 h1.2
  text "Top Layer - Bottom Layer" at 75.786,139.296 h1.2
  text "Pad" at 89.442,139.296 h1.2
  text "(Mixed)" at 95.343,139.296 h1.2
  text "(Mixed)" at 103.051,139.296 h1.2
  text "12" at 46.225,136.812 h1.2
  text "1,100mm (43,31mil)" at 52.072,136.812 h1.2
  text "PTH" at 63.638,136.812 h1.2
  text "Round" at 68.585,136.812 h1.2
  text "Top Layer - Bottom Layer" at 75.786,136.812 h1.2
  text "Pad" at 89.442,136.812 h1.2
  text "(Mixed)" at 95.343,136.812 h1.2
  text "(Mixed)" at 103.051,136.812 h1.2
  text "256" at 46.225,134.329 h1.2
  text "0,200mm (7,87mil)" at 52.072,134.329 h1.2
  text "PTH" at 63.638,134.329 h1.2
  text "Round" at 68.585,134.329 h1.2
  text "Top Layer - Bottom Layer" at 75.786,134.329 h1.2
  text "Via" at 89.442,134.329 h1.2
  text "Rounded" at 95.343,134.329 h1.2
  text "(Mixed)" at 103.051,134.329 h1.2
  text "(Mixed)" at 109.825,134.329 h1.2
  text "310 Total" at 46.225,131.845 h1.2

## Text inside footprints (layer, text, board x,y; h text height)
TP7: Top Overlay "GPIO 0" at 66.441,94.264 h1.2 r90
TP8: Top Overlay "GPIO 1" at 59.05,94.337 h1.2 r90
TP9: Top Overlay "GPIO 2" at 51.66,94.267 h1.2 r90
TP10: Top Overlay "GPIO 3" at 44.648,94.263 h1.2 r90
TP11: Top Overlay "GPIO 4" at 37.485,94.265 h1.2 r90
U1: Top 3D Body "*" at 1.786,94.799 h1.27